# Altium PCB EVB-ANNA-B5x5_Certifi.PcbDoc (part 3 of 6)
Units mm, origin at the board's own origin, x right, y up, seen from the top; angles counter-clockwise.
Board outline 100 x 70 mm, 6 copper layers (L1, L2, L3, L4, L5, L6), stack 1.547 mm thick; 489 components, 297 nets, 1418 pads, 1472 vias.
Unrouted connection lines stored in the file: 3.
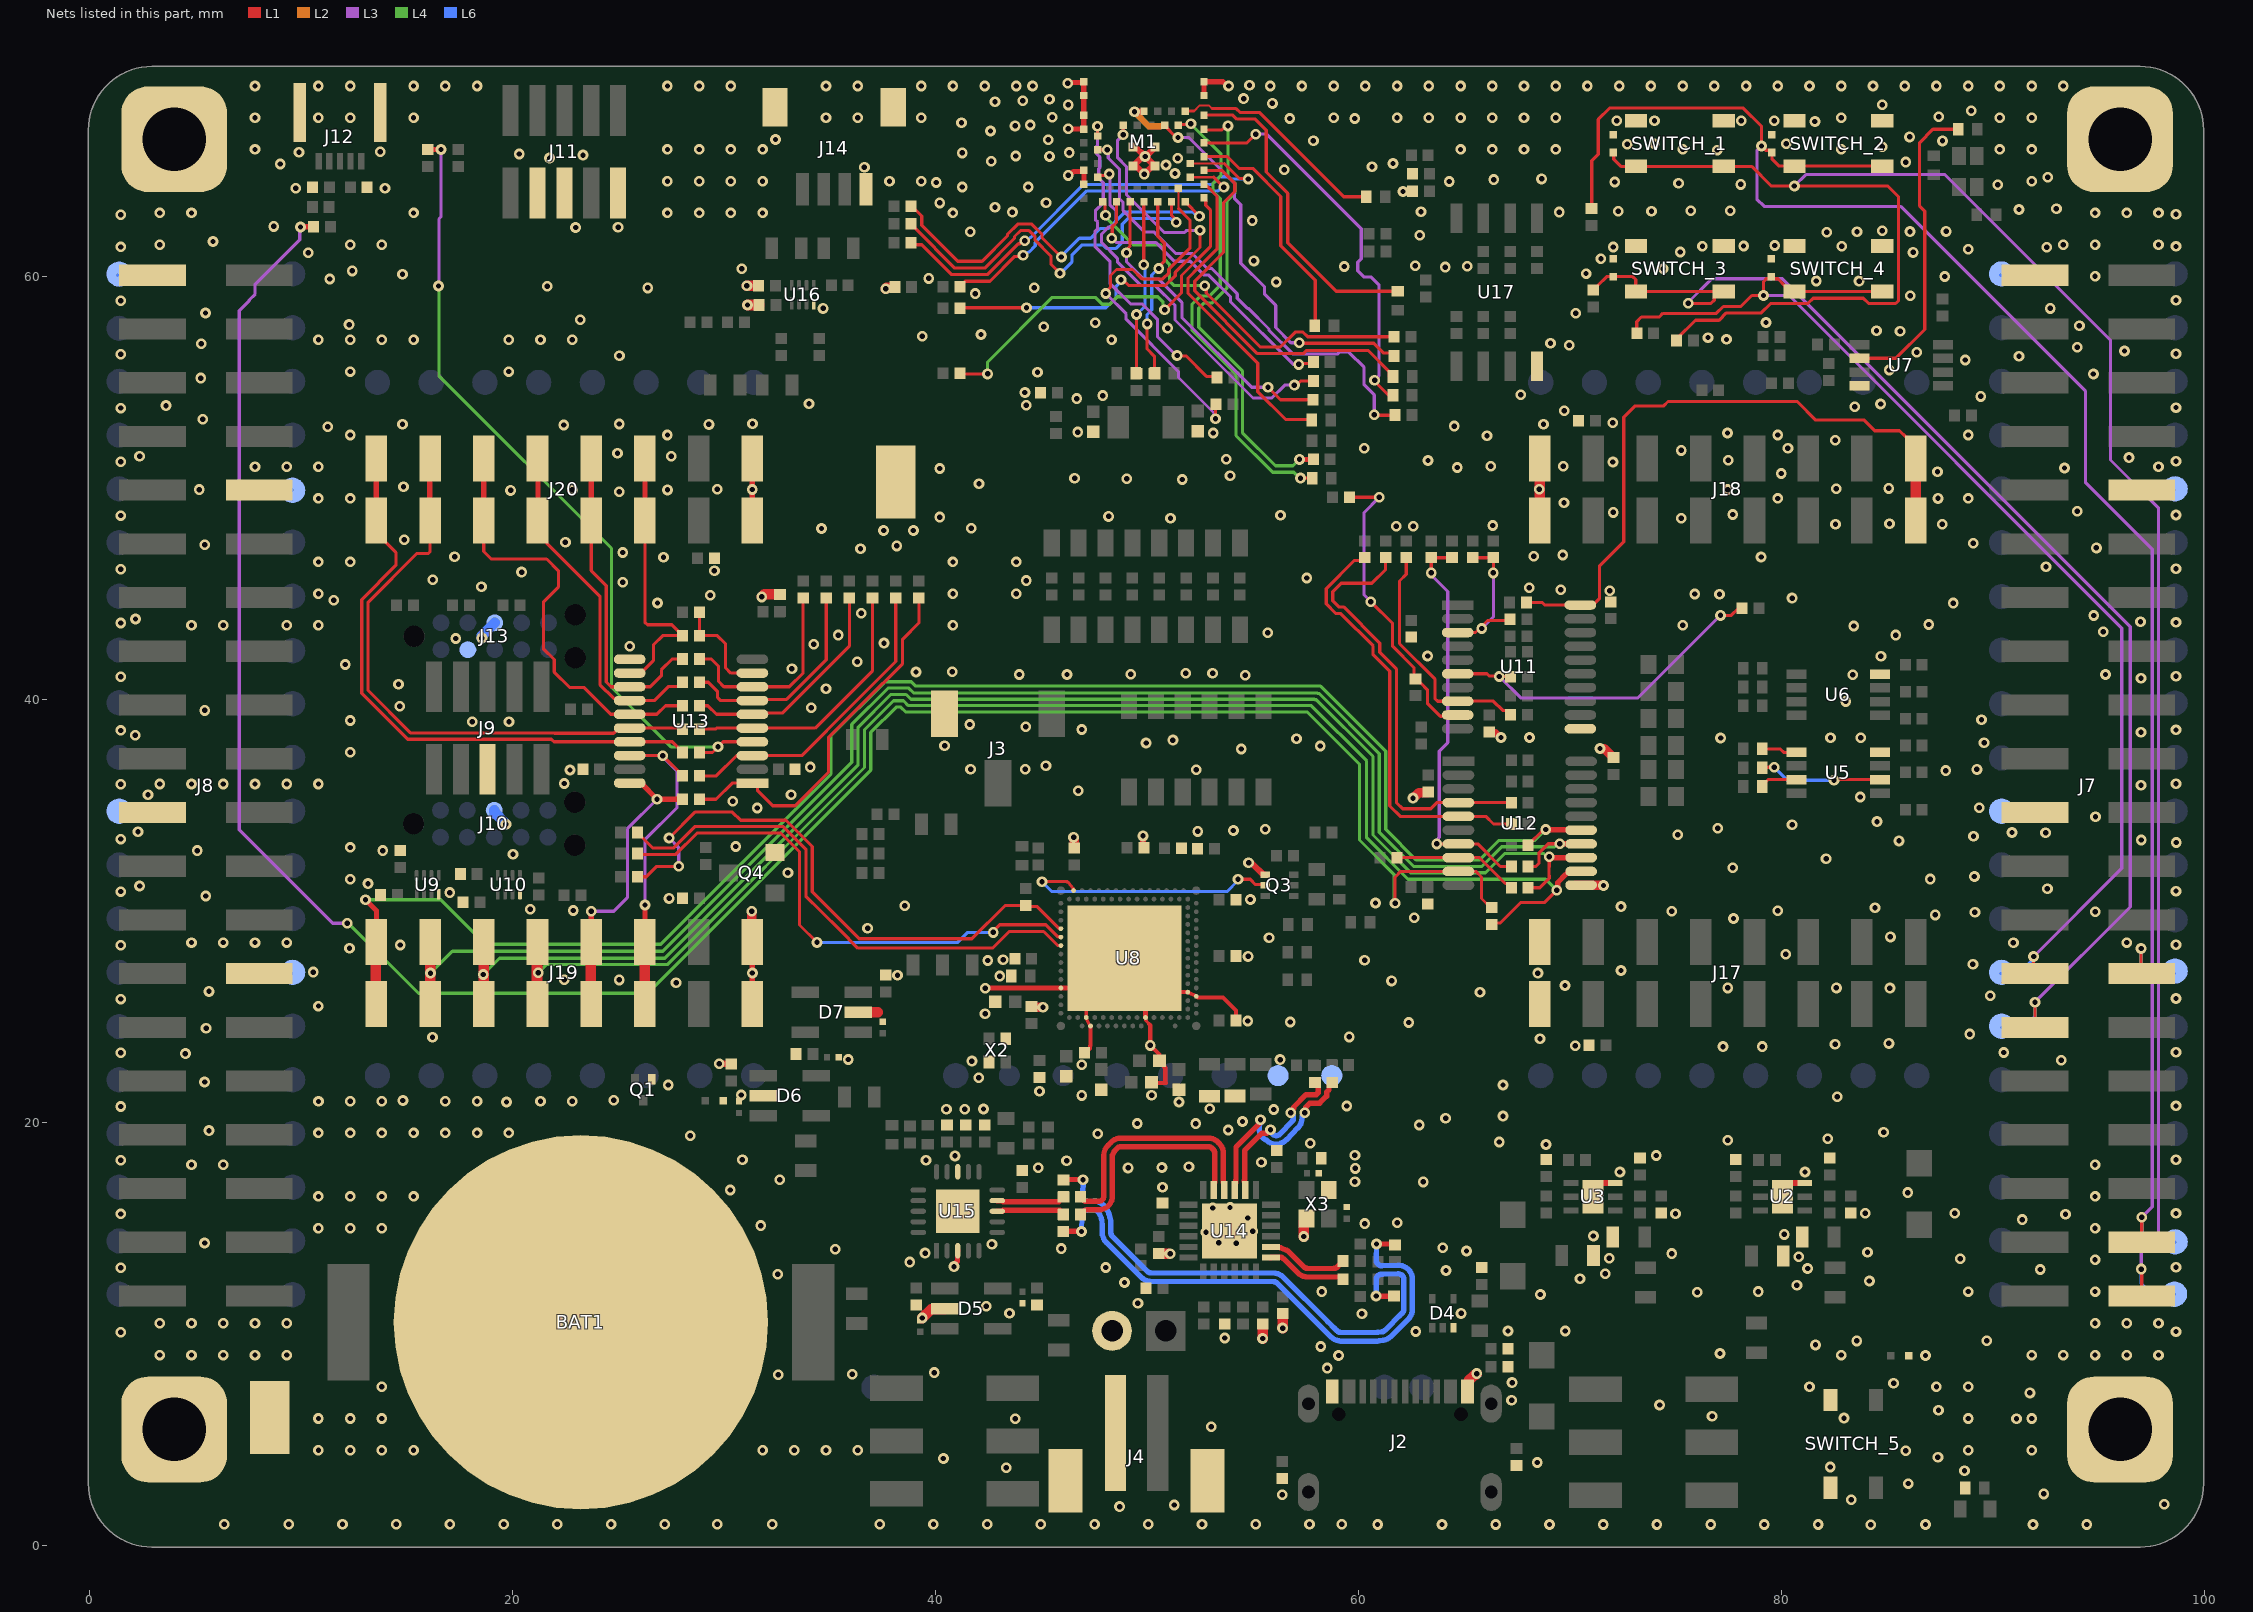
[diagram p7: the nets of this part, all layers, seen from the top]

## Via types
v1: diameter 0.508, hole 0.254, L1 to L6, 1119 vias
v2: diameter 0.5, hole 0.25, L1 to L6, 348 vias
v3: diameter 0.3, hole 0.1, L1 to L6, tented top, 5 vias

## Nets (pads, with @x,y where several pads share a name; then routed paths per layer and width w, separated by ;. In a path a pad name is that pad's centre, name@x,y a point inside that pad or via, vN(x,y) a via of type N, cw(c..) or ccw(c..) an arc to the next point about the centre after c; other vN are vias at no path point) (continued)
Button1: D18.1 J7.40 R173.1 SWITCH_1.1 SWITCH_1.2 TP84.1 | length 98.1
  L1 w0.15: D18.1@72.034,65.874 72.059,65.849 72.059,65.557 72.397,65.219 SWITCH_1.2@73.109,65.219 SWITCH_1.1@77.259,65.219 78.581,65.219 79.512,64.288 v1(80.602,64.288) 85.012,64.288 85.53,63.77 85.53,58.876 85.39,58.736 84.113,58.736 83.863,58.986 81.488,58.986 81.238,58.736 79.483,58.736 79.036,58.289 77.389,58.289 77.045,57.945 75.924,57.945 R173.1@75.04,57.061 ; J7.40@97.025,11.81 v1@97.025,12.968
  L3 w0.15: v1(80.602,64.288) 81.144,64.83 87.723,64.83 95.549,57.004 95.549,51.334 97.82,49.062 97.82,14.68 97,13.86 v1(97,13.081)
  L6 w0.15: v1(97,13.081) 97,12.395 97.5,11.895 TP84.1@98.575,11.895
Button2: D17.1 J7.38 R167.1 SWITCH_2.1 SWITCH_2.2 TP82.1 | length 86.1
  L1 w0.15: R167.1@71.008,63.226 71.022,63.24 71.022,65.482 71.33,65.79 71.33,67.44 71.86,67.97 78.19,67.97 79.044,67.116 v1(79.044,66.182) 79.247,65.979 79.427,65.979 79.514,65.892 79.514,65.887 79.54,65.861 79.54,65.569 79.877,65.232 SWITCH_2.1@84.939,65.232 ; J7.38@97.025,14.35 v1@97.025,15.508
  L3 w0.15: v1@79.05,66.177 78.831,65.958 78.831,63.666 79.17,63.327 85.624,63.327 94.373,54.578 94.373,50.26 97.52,47.113 97.52,16.031 v1(97.025,15.536)
  L6 w0.15: v1(97.025,15.536) 97.025,14.85 97.525,14.35 TP82.1@98.599,14.35
Button3: D20.1 J7.29 R171.1 SWITCH_3.1 SWITCH_3.2 TP72.1 | length 61.1
  L1 w0.15: R171.1@71.095,59.379 71.11,59.379 71.295,59.564 71.295,59.579 71.722,60.006 D20.1@72.034,60.007 ; D20.1@72.034,60.007 72.963,60.007 73.101,59.869 73.101,59.309 SWITCH_3.2@73.109,59.301 SWITCH_3.1@77.059,59.301 ; v1(75.581,58.744) 75.584,58.741 76.658,58.741 76.809,58.892 76.809,59.051 SWITCH_3.1@77.059,59.301 ; J7.29@91.55,24.085 J7.29@91.975,24.51 ; J7.29@91.975,24.538 v1(91.975,25.696) ; SWITCH_3.1@77.059,59.301 SWITCH_3.1@77.259,59.301 SWITCH_3.1@77.059,59.301
  L3 w0.15: v1(75.581,58.744) 75.57,58.755 75.57,58.78 76.691,59.901 80.032,59.901 96.48,43.453 96.48,30.201 v1(91.975,25.696)
  L6 w0.15: TP72.1@90.401,24.51 91.475,24.51 91.975,25.01 v1(91.975,25.696)
Button4: D21.1 J7.27 R172.1 SWITCH_4.1 SWITCH_4.2 TP71.1 | length 59
  L1 w0.15: R172.1@73.15,57.331 73.15,57.878 73.37,58.098 74.218,58.098 74.384,58.264 76.914,58.264 77.244,58.594 78.075,58.594 78.595,59.114 v1(79.139,59.114) 79.139,59.77 79.271,59.902 79.4,59.902 79.5,60.002 D21.1@79.5,60.007 ; D21.1@79.566,60.032 79.566,59.936 79.6,59.902 79.827,59.902 80.152,59.577 80.152,59.55 80.402,59.3 SWITCH_4.1@84.752,59.3 ; J7.27@90.475,26.625 90.9,27.05 J7.27@91.975,27.05 ; J7.27@91.911,27.089 v1(91.911,27.86)
  L3 w0.15: v1(79.139,59.114) 80.351,59.114 96.08,43.385 96.08,32.029 v1(91.911,27.86)
  L6 w0.15: TP71.1@90.347,27.051 91.421,27.051 91.679,27.309 91.679,27.531 91.911,27.763 v1(91.911,27.86)
CTS: R64.1 U5.5 | length 1.7
  L1 w0.15: R64.1@79.081,37.678 79.091,37.668 79.946,37.668 80.115,37.499 80.675,37.499 U5.5@80.701,37.524
DBGR_LED: Q3.2 U8.AL29 | length 12.9
  L1 w0.15: v1(45.031,31.4) 45.898,31.4 ccw(c45.897,31.55) 45.903,31.401 cw(c45.923,30.976) 45.944,31.4 ccw(c45.949,31.55) 45.947,31.4 46.178,31.4 cw(c46.178,31.25) 46.298,31.34 ccw(c52.078,35.639) 46.49,31.093 cw(c46.373,30.999) 46.523,30.999 U8.AL29@46.523,30.976 ; v1(54.296,31.512) 54.873,31.512 55.125,31.26 55.537,31.26 Q3.2@55.575,31.222
  L6 w0.15: v1(45.031,31.4) 45.502,30.93 53.774,30.93 54.296,31.452 v1(54.296,31.512)
DBGR_RESETn: R86.1 R89.1 U8.AC31 | length 27.6
  L1 w0.15: R89.1@25.9,31.632 26.327,31.632 26.817,32.123 v1(27.851,32.123) ; v1(27.397,33.465) 28.619,34.687 30.393,34.687 30.781,34.299 32.928,34.299 34.165,33.062 34.165,30.915 36.384,28.696 41.707,28.696 43.278,30.267 R86.1@44.262,30.267 44.298,30.231 44.78,30.231 45.821,29.19 45.909,29.19 U8.AC31@45.923,29.176
  L3 w0.15: v1(27.397,33.465) 27.851,33.011 v1(27.851,32.123)
DBGR_SWDCLK: R91.2 U8.W31 | length 25
  L1 w0.15: R91.2@25.9,33.725 26.639,32.986 27.596,32.986 28.609,33.999 32.803,33.999 33.865,32.937 33.865,30.713 34.591,29.987 34.597,29.987 35.46,29.124 35.46,29.119 36.323,28.256 42.688,28.256 43.473,29.041 44.335,29.041 44.341,29.047 44.738,29.047 44.744,29.041 45.099,29.041 45.102,29.037 45.105,29.041 45.759,28.387 45.912,28.387 U8.W31@45.923,28.376
DBGR_SWDIO: R90.2 U8.AA31 | length 25.2
  L1 w0.15: R90.2@25.9,32.686 27.72,32.686 28.733,33.699 32.679,33.699 33.565,32.813 33.565,29.351 v1(34.389,28.527) ; v1(42.723,28.999) 42.723,29.053 43.034,29.364 45.208,29.364 45.782,28.79 45.909,28.79 U8.AA31@45.923,28.776
  L6 w0.15: v1(34.389,28.527) 41.047,28.527 41.519,28.999 v1(42.723,28.999)
DSR: R59.1 U5.7 | length 1.8
  L1 w0.15: R59.1@79.081,35.9 79.081,35.95 79.355,36.224 U5.7@80.701,36.224
DTR: R61.1 U5.2 | length 5.9
  L1 w0.15: R61.1@79.111,36.819 79.125,36.805 v1(79.654,36.805) ; v1(82.474,36.195) 82.503,36.224 U5.2@84.651,36.224
  L1 w0.25: R61.1@79.081,36.789 79.111,36.819 R61.1@79.124,36.831
  L6 w0.15: v1(79.654,36.805) 80.264,36.195 v1(82.474,36.195)
F1_USB_N: R163.2 U14.2 | length 7.7
  L1 w0.255: U14.2@54.598,17.234 ccw(c54.853,17.234) 54.623,17.124 U14.2@54.646,16.826 ; U14.2@54.598,17.235 cw(c54.853,17.234) 54.601,17.271 54.602,17.277 ccw(c53.949,17.373) 54.609,17.373 54.609,18.686 55.432,19.509 55.664,19.509 v1(55.83,19.675) ; v1(56.788,20.474) 56.788,20.542 56.922,20.677 56.922,20.733 57.522,21.332 57.991,21.332 58.081,21.423 58.081,21.75 R163.2@57.934,21.898
  L6 w0.255: v1(55.83,19.675) 55.831,19.661 ccw(c56.085,19.676) v1@55.876,19.53 ; v1@55.876,19.53 55.896,19.501 ccw(c56.105,19.648) 56.289,19.471 56.847,20.05 ccw(c56.663,20.227) 56.918,20.227 ccw(c56.663,20.227) 56.857,20.393 v1(56.788,20.474)
F1_USB_P: R162.2 U14.3 | length 9.9
  L1 w0.255: U14.3@54.146,16.826 54.168,17.124 ccw(c53.938,17.234) 54.193,17.234 cw(c54.598,17.234) 54.193,17.236 cw(c54.853,17.234) 54.2,17.33 54.201,17.336 ccw(c53.949,17.373) 54.204,17.373 54.204,18.854 55.359,20.009 v1(55.359,20.146) ; v1@57.406,20.522 v1(57.454,20.474) 57.502,20.522 57.502,20.741 57.689,20.927 58.159,20.927 58.486,21.255 58.486,21.445 58.599,21.558 58.599,21.765 58.732,21.898 R162.2@58.747,21.898
  L6 w0.255: v1(55.359,20.146) 55.337,20.037 ccw(c55.587,19.986) 55.333,20.015 55.302,19.735 ccw(c55.83,19.675) 55.641,19.178 ccw(c56.105,19.648) 56.58,19.19 57.139,19.769 ccw(c56.663,20.227) 57.323,20.225 ccw(c56.918,20.227) 57.324,20.227 cw(c57.578,20.227) 57.385,20.393 v1(57.454,20.474)
F2_USB_N: R161.2 U14.4 | length 11.5
  L1 w0.255: R161.2@46.844,16.496 46.976,16.349 46.997,16.334 ccw(c47.149,16.538) 47.149,16.283 cw(c47.149,15.878) 47.151,16.283 47.697,16.283 ; 47.698,16.283 cw(c47.701,16.081) 47.699,16.283 ccw(c47.697,16.538) 47.952,16.538 47.952,18.459 cw(c48.612,18.459) 48.145,18.926 48.151,18.93 ccw(c47.999,19.135) 48.184,18.959 48.285,19.065 cw(c48.763,18.61) 48.76,19.27 52.89,19.27 cw(c52.89,18.61) 53.357,19.077 53.405,19.029 cw(c52.938,18.562) 53.598,18.562 53.598,17.235 cw(c53.193,17.234) 53.598,17.234 ccw(c53.853,17.234) 53.623,17.124 U14.4@53.646,16.826
F2_USB_P: R160.2 U14.5 | length 10.8
  L1 w0.255: R160.2@46.844,15.665 46.976,15.812 46.997,15.827 cw(c47.149,15.623) 47.149,15.878 47.697,15.878 ccw(c47.697,16.283) 47.701,15.878 ccw(c47.695,16.538) 47.704,15.878 ccw(c47.697,16.538) 48.357,16.538 48.357,18.459 48.433,18.616 cw(c48.662,18.504) 48.477,18.68 48.578,18.786 cw(c48.763,18.61) 48.761,18.865 52.89,18.865 cw(c52.89,18.61) 53.071,18.79 53.118,18.743 cw(c52.938,18.562) 53.193,18.562 53.193,17.234 cw(c52.938,17.234) 53.168,17.124 U14.5@53.146,16.826
FTDI_n: R161.1 R221.1 U15.9 | length 3
  L1 w0.255: U15.9@42.911,16.316 43.148,16.316 43.195,16.268 R161.1@45.822,16.268 ; R161.1@46.035,16.501 46.03,16.496 R161.1@46.044,16.496
FTDI_p: R160.1 R218.2 U15.8 | length 3.5
  L1 w0.255: R218.2@46.03,15.67 46.044,15.67 46.044,15.68 45.88,15.843 45.88,15.863 43.195,15.863 U15.8@43.148,15.816 ; U15.8@43.148,15.816 U15.8@42.911,15.816 U15.8@43.148,15.816
FTDI_USB_n: R213.1 R221.2 | length 25.2
  L1 w0.255: R221.2@46.085,17.317 v1@46.961,17.317 ; v1@60.833,11.801 R213.1@61.71,11.801
  L6 w0.255: v1(46.97,17.308) 46.947,16.54 ccw(c47.202,16.533) 47.195,16.278 ccw(c47.202,16.533) 47.209,16.278 47.466,16.285 cw(c47.485,15.626) 48.024,16.008 cw(c46.869,15.191) 48.283,15.189 48.283,14.808 ccw(c48.538,14.808) 48.358,14.627 48.476,14.509 50.014,12.971 ccw(c50.194,13.152) 50.194,12.897 50.362,12.897 55.799,12.897 55.967,12.897 cw(c55.967,12.237) 56.434,12.704 58.546,10.591 58.861,10.277 cw(c58.575,9.99) 58.862,10.276 58.98,10.158 ccw(c59.16,10.338) 59.16,10.083 60.87,10.083 ccw(c60.871,10.338) 60.909,10.086 61.106,10.116 ccw(c61.068,10.368) 61.248,10.187 61.343,10.282 61.942,10.881 62.06,11 ccw(c61.88,11.18) 62.135,11.179 62.135,12.6 ccw(c61.88,12.598) 61.874,12.853 61.108,12.834 cw(c61.092,13.494) 61.09,12.834 ; v1(60.824,11.81) 60.83,12.58 cw(c61.085,12.579) 61.087,12.834 ccw(c61.092,13.494) 61.089,12.834
FTDI_USB_p: R216.1 R218.1 | length 26.5
  L1 w0.255: R218.1@46.011,14.867 v1@46.888,14.867 ; v1@60.836,14.266 v1(60.843,14.266) R216.1@61.713,14.266
  L6 w0.255: v1(46.897,14.858) 46.92,15.626 cw(c47.175,15.618) 47.182,15.873 ; 47.183,15.873 ccw(c47.202,16.533) 47.184,15.873 ; 47.185,15.873 ccw(c47.202,16.533) 47.221,15.873 47.478,15.881 cw(c47.485,15.626) 47.693,15.773 cw(c46.869,15.191) 47.878,15.189 47.878,14.808 ccw(c48.538,14.808) 48.072,14.341 48.19,14.223 ; 48.19,14.222 49.728,12.684 ccw(c50.194,13.152) 50.194,12.492 50.36,12.492 ccw(c50.362,12.897) 50.362,12.492 55.799,12.492 ccw(c55.799,12.897) 55.801,12.492 55.967,12.492 cw(c55.967,12.237) 56.147,12.417 58.575,9.99 ccw(c58.861,10.277) 58.576,9.989 58.693,9.872 ccw(c59.16,10.338) 59.16,9.678 60.871,9.678 ; v1(60.843,14.266) 60.837,13.495 ccw(c61.092,13.494) 61.09,13.239 ccw(c61.092,13.494) 61.098,13.239 61.864,13.258 cw(c61.88,12.598) 62.54,12.606 cw(c62.135,12.6) 62.54,12.6 62.54,11.178 cw(c61.88,11.18) 62.347,10.713 62.228,10.595 61.534,9.9 cw(c61.068,10.368) 61.168,9.716 60.97,9.686 cw(c60.871,10.338) 60.873,9.678
GND: BAT1.2 C1.2 C3.1 C4.2 C5.2 C6.2 C7.2 C8.1 C9.2 C10.2 C11.2 C12.1 C13.2 C14.2 C15.1 C17.2 C18.2 C19.2 C20.2 C21.2 C22.2 C23.2 C24.2 C25.2 C26.2 C27.2 C28.2 C29.2 C30.2 C31.2 C32.2 C33.2 C34.2 C35.2 C36.2 C37.2 C38.1 C39.2 C40.1 C41.2 C42.2 C43.2 C44.2 C45.2 C46.2 C47.2 C48.2 C49.1 C50.2 C51.2 C52.2 C53.2 C54.2 C55.2 C56.2 C57.2 C58.2 C59.2 C60.2 C61.2 C62.1 C63.2 C64.2 C65.2 C66.1 C67.1 C68.2 C69.2 C70.2 C71.2 D4.3 D5.2 D6.2 D7.2 D8.2 D15.2 D17.2 D18.2 D20.2 D21.2 J2.A1B12 J2.B1A12 J3.1 J4.1 J4.MH1 J5.2 J7.1 J7.10 J7.21 J7.28 J8.1 J8.10 J8.21 J8.28 J9.5 J10.3 J11.3 J11.5 J11.9 J12.MP J13.3 J13.9 J14.1 J14.M1 J14.M2 J15.1 J16.1 J17.8 J18.8 J19.8 J20.8 M1.1 M1.2 M1.3 M1.4 M1.7 M1.8 M1.34 M1.35 M1.43 M1.53 M1.54 M1.55 M1.56 pad.5 Q1.1 Q3.1 Q4.2 R33.1 R34.1 R39.1 R40.1 R42.2 R45.1 R53.1 R54.1 R77.1 R80.1 R150.1 R151.2 R152.1 R157.1 R201.1 R202.2 R203.2 R204.2 SWITCH_1.3 SWITCH_1.4 SWITCH_2.3 SWITCH_2.4 SWITCH_3.3 SWITCH_3.4 SWITCH_4.3 SWITCH_4.4 SWITCH_5.3 SWITCH_5.4 TP38.1 TP44.1 TP48.1 TP56.1 TP68.1 TP74.1 TP88.1 TP96.1 TP108.1 TP114.1 U2.3 U2.7 U3.3 U3.7 U5.4 U6.4 U7.4 U8.104 U8.A25 U8.B12 U8.B26 U8.G1 U8.H2 U8.J31 U9.4 U10.4 U11.11 U12.11 U13.11 U14.25 U15.3 U15.13 U15.21 U16.4 U17.4 X2.2 X2.4 X3.2 X3.4 | length 67.3
  L1 w0.15: J9.5@18.821,36.709 J9.5@18.821,36.977 ; C68.2@30.7,21.011 30.755,21.066 30.755,21.259 v1(30.81,21.314) ; U8.B26@47.123,24.976 U8.104@47.123,26.376 ; U8.B12@49.923,24.976 U8.B12@49.93,24.969 ; U8.B12@49.93,24.889 U8.B12@49.93,24.969 ; 50.085,24.67 50.06,24.695 50.06,24.716 49.937,24.839 49.937,24.962 U8.B12@49.93,24.969 ; J7.28@96.994,27.081 v1(96.994,28.239)
  L1 w0.165: U8.B26@47.123,24.976 47.116,24.954 47.301,24.583 U8.A25@47.323,24.576
  L1 w0.187: U8.B12@49.923,24.976 U8.B12@49.93,24.969 ; U8.104@51.223,26.176 U8.H2@51.923,26.176 U8.G1@52.323,25.976 ; 53.588,25.918 54.194,25.312 C22.2@54.194,24.833
  L1 w0.188: U8.G1@52.323,25.976 52.326,25.973 52.327,25.972 ccw(c52.458,26.106) 52.445,25.919 cw(c52.422,25.576) 52.451,25.919 ccw(c52.465,26.105) 52.464,25.918 52.8,25.918 cw(c52.799,25.73) 52.807,25.918 ccw(c52.831,26.415) 52.855,25.918 cw(c52.863,25.73) 52.862,25.918 53.588,25.918
  L1 w0.2: C36.2@47.098,23.307 47.298,23.506 47.298,23.628 47.323,23.654 U8.A25@47.323,24.576 ; 50.085,24.67 50.15,24.605 v1(50.15,23.658) 50.586,23.222 C37.2@50.586,22.928 ; C33.2@50.121,21.884 50.875,21.884 ; C37.2@50.524,22.866 C37.2@50.664,22.725 ; C37.2@50.689,22.75 50.704,22.75 50.854,22.6 50.854,21.905 50.875,21.884 ; 50.895,21.884 50.875,21.884
  L1 w0.225: v1(42.343,26.362) 42.357,26.376 47.123,26.376 U8.104@47.523,26.376 ; U8.B12@49.923,24.976 U8.104@49.923,26.376
  L1 w0.25: J19.8@31.336,25.616 v1(31.336,27.081) J19.8@31.336,28.546 ; J20.8@31.336,48.476 J20.8@31.336,51.406 ; v1(40.865,13.2) 40.865,13.283 41.038,13.456 41.038,13.942 U15.3@41.046,13.951 ; v1(46.252,69.149) 46.287,69.184 46.974,69.184 M1.1@47.01,69.22 ; v1(46.268,64.79) 46.338,64.79 46.525,64.978 46.96,64.978 M1.7@47.01,65.028 M1.8@47.01,64.399 ; v1(46.268,66.991) 46.274,66.985 47.003,66.985 M1.4@47.008,66.98 ; M1.4@47.01,66.978 M1.4@47.008,66.98 ; M1.1@47.008,69.218 M1.4@47.008,66.98 ; M1.4@47.01,66.978 M1.4@47.008,66.98 ; M1.34@52.69,68.57 M1.35@52.69,69.22 53.581,69.22 53.782,69.02 v1(53.851,69.02)
  L1 w0.3: v1(29.774,22.789) 29.781,22.782 30.324,22.782 C18.2@30.332,22.774 ; M1.53@49.33,66.128 49.459,66.128 v1(49.902,65.685) ; v1@49.411,67.808 M1.43@49.843,67.808 ; v1(49.803,33.562) 49.803,33.045 R54.1@49.843,33.005 ; M1.56@50.37,66.128 49.927,65.685 v1@49.913,65.685 ; v1(54.796,32.288) 54.835,32.248 54.974,32.248 55.5,31.722 Q3.1@55.575,31.722 ; R202.2@66.171,38.469 66.474,38.469 v1(66.73,38.212) ; U3.7@71.001,17.151 U3.3@72.136,17.151 ; U2.7@79.961,17.151 U2.3@81.096,17.151 ; v1(49.902,65.685) v1@49.913,65.685 ; v1(49.902,65.685) 49.787,65.685 M1.54@49.33,65.228 49.484,65.228 v1(49.86,64.852) 50.236,65.228 M1.55@50.37,65.228 v1@49.913,65.685
  L1 w0.45: v1(31.309,30.002) 31.315,29.996 J19.8@31.315,28.466 ; C30.2@44.534,25.491 44.554,25.471 45.065,25.471 v1(45.076,25.46) ; v1(46.522,33.498) 46.555,33.465 C28.2@46.555,32.98 ; v1(49.4,67.797) v1@49.411,67.808 ; C47.2@62.481,42.966 C47.2@62.488,42.958 ; v1@62.573,35.365 v1(62.573,35.349) 62.588,35.349 62.849,35.61 63.251,35.61 C46.2@63.286,35.645 ; U12.11@70.249,31.221 71.573,31.221 v1(71.576,31.218) ; v1(71.413,37.694) 71.424,37.683 71.616,37.683 72.036,37.263 C43.2@72.051,37.263
  L1 w0.5: v1(31.078,59.572) C64.2@31.629,59.572 ; v1(31.104,58.663) C65.2@31.655,58.663 ; v1@31.781,44.861 31.91,44.99 R204.2@32.626,44.99 ; D7.2@36.34,25.221 36.365,25.196 36.401,25.231 37.259,25.231 37.261,25.233 ; v1(37.638,59.434) v1(37.638,59.434) 37.695,59.489 38.059,59.489 38.069,59.499 C3.1@38.069,59.514 ; v1(39.37,10.77) 39.372,10.77 39.79,11.187 40.411,11.187 D5.2@40.436,11.212 ; C57.2@50.551,13.816 v1@50.992,13.816 ; v1(55.458,9.797) R152.1@55.458,10.463 ; v1(56.403,10.29) C52.2@56.403,10.956 ; v1(57.41,14.62) 57.411,15.296 X3.4@57.536,15.471 ; J2.B1A12@65.146,7.296 65.196,7.346 65.196,7.802 65.489,8.094 65.532,8.094 65.578,8.14 v1(65.58,8.14) ; J18.8@68.565,48.429 J18.8@68.565,51.18
  L4 w0.3: v1(49.4,67.797) 50.077,67.12 50.62,67.12
  L2 w0.3: v1(49.4,67.797) 50.077,67.12 50.62,67.12
  L6 w0.15: TP108.1@1.321,60.071 TP108.1@1.325,60.067 ; TP114.1@9.546,27.051 TP114.1@9.55,27.047 ; TP96.1@9.571,49.911 TP96.1@9.575,49.907 ; TP48.1@90.339,60.064 TP48.1@90.346,60.071 ; v1(96.994,28.239) 96.994,27.553 97.494,27.053 TP74.1@98.568,27.053 ; TP56.1@98.545,49.91 TP56.1@98.546,49.911 ; TP74.1@98.567,27.055 TP74.1@98.571,27.051
  L6 w0.5: v1(18.548,42.916) 18.549,42.918 18.549,43.032 J13.3@19.154,43.637 ; J10.3@19.129,34.773 19.129,34.692 19.68,34.141 19.68,34.114 v1(19.681,34.112)
  other v1: 48.697,1.853 51.282,1.927 98.087,1.959 92.393,2.453 88.643,3.548 43.335,3.693 82.293,3.726 40.368,4.123 87.388,4.186 85.864,4.496 53.036,5.625 43.767,6.009 91.102,6.007 82.946,6.037 76.711,6.124 87.413,6.403 74.229,6.653 67.231,6.875 91.736,7.228 85.291,7.689 67.256,7.713 32.562,8.082 36.058,8.113 39.93,8.186 58.518,8.399 59.052,8.993 86.802,8.994 77.085,9.092 58.205,9.418 81.601,9.496 83.546,9.685 89.701,9.697 53.667,9.822 62.696,10.129 67.062,10.152 69.771,10.152 60.155,10.971 43.49,10.99 64.843,10.987 42.388,11.328 49.563,11.46 68.593,11.883 76.013,11.981 58.258,12.018 78.893,12.017 80.72,12.323 48.928,12.446 84.149,12.515 70.463,12.624 32.534,12.84 71.66,12.857 64.13,13.015 92.226,13.065 81.226,13.111 48.045,13.158 38.771,13.412 88.44,13.566 71.849,13.594 80.812,13.66 51.085,13.801 74.804,13.813 39.501,13.837 84.061,13.878 65.097,13.934 35.254,14.016 45.94,14.05 63.976,14.094 42.661,14.252 5.437,14.317 71.1,14.646 80.123,14.722 31.73,15.138 60.286,15.232 61.83,15.277 91.381,15.422 93.418,15.679 74.979,15.702 83.947,15.723 88.185,15.721 85.959,16.698 30.287,16.823 50.724,16.949 59.823,17.209 63.056,17.202 32.635,17.303 72.351,17.669 81.105,17.669 59.844,17.842 44.853,17.873 49.098,17.864 50.698,17.882 51.975,17.919 55.403,18.133 46.191,18.209 39.545,18.229 30.863,18.247 40.916,18.432 59.823,18.463 74.075,18.451 68.859,18.974 57.708,19.027 66.646,19.093 77.454,19.173 82.18,19.24 28.403,19.385 47.67,19.484 84.819,19.552 5.642,19.63 53.833,19.656 62.87,19.894 49.53,19.964 52.292,19.961 54.508,20.061 64.111,20.21 66.827,20.314 55.982,20.625 40.51,20.644 41.373,20.644 42.266,20.65 52.957,20.662 59.435,20.792 19.708,20.983 51.507,20.983 14.813,21.054 24.787,21.067 82.623,21.226 46.907,21.294 50.211,21.304 44.909,21.492 27.357,21.785 66.827,21.787 5.437,21.927 42.034,22.124 46.911,22.741 41.714,22.914 93.216,22.952 56.286,22.987 35.874,22.991 4.53,23.27 90.499,23.323 77.225,23.601 79.081,23.601 70.246,23.643 82.527,23.715 85.07,23.752 68.577,23.969 16.213,24.042 59.553,24.058 88.889,24.191 5.507,24.469 62.371,24.738 56.762,24.766 54.759,24.813 42.338,25.152 89.865,26.002 65.735,26.17 5.642,26.21 85.118,26.367 77.446,26.376 82.588,26.376 69.753,26.489 27.729,26.62 61.559,26.707 22.446,26.766 25.042,26.754 43.037,26.934 38.199,26.979 68.474,27.076 10.577,27.123 72.405,27.199 89.041,27.499 42.465,27.674 60.281,27.687 43.19,27.704 54.772,27.866 80.188,27.965 12.286,28.254 14.685,28.404 90.958,28.514 55.767,28.745 85.142,28.787 36.783,29.202 77.721,29.656 62.629,29.69 87.266,29.828 89.136,29.952 74.804,30.005 22.872,30.033 20.828,30.099 84.415,30.168 72.405,30.22 38.534,30.258 60.794,30.389 54.881,30.556 27.397,30.607 5.497,30.72 17.03,30.882 92.564,31.069 2.362,31.191 13.165,31.307 87.024,31.522 89.113,31.643 33.015,31.818 77.69,32.059 82.1,32.482 20.015,32.69 5.092,32.866 13.864,32.868 30.548,33.059 85.546,33.325 96.996,33.369 89.071,33.54 75.085,33.619 92.48,33.706 90.892,33.723 2.286,33.757 52.397,33.776 54.08,33.817 55.582,33.881 76.98,33.92 80.493,34.093 84.507,34.238 31.566,34.884 89.343,34.896 30.404,35.205 83.714,35.4 2.761,35.509 33.165,35.511 46.739,35.692 96.99,35.953 22.439,36.042 87.761,36.649 22.71,36.676 52.32,36.69 41.652,36.715 44.239,36.711 89.233,36.706 34.068,36.815 45.214,36.882 54.454,37.674 58.184,37.812 40.425,37.83 49.951,37.956 89.57,37.964 51.219,38.092 57.061,38.157 77.112,38.188 68.076,38.215 82.306,38.209 83.736,38.209 2.156,38.316 96.99,38.468 46.913,38.591 44.262,38.725 41.612,38.83 18.089,38.963 19.826,38.963 89.448,39.051 5.447,39.495 34.119,39.624 14.667,39.69 83.034,39.914 14.607,40.734 96.99,41.014 54.643,41.16 43.959,41.193 46.209,41.193 83.356,41.183 95.31,41.195 49.228,41.206 51.826,41.251 53.096,41.251 39.069,41.313 40.788,41.327 33.205,41.471 12.089,41.666 36.288,41.794 84.693,42.06 63.259,42.07 25.536,42.532 34.242,42.62 37.558,42.678 17.312,42.896 35.401,43.058 85.393,43.057 55.703,43.165 95.205,43.214 83.414,43.485 86.957,43.555 96.968,43.683 2.171,43.819 94.752,43.984 36.484,44.095 26.849,44.575 88.111,44.569 11.542,44.709 80.493,44.806 31.779,44.861 29.338,44.944 75.888,45.002 77.059,44.989 71.877,45.153 69.553,45.199 68.069,45.3 18.524,45.34 25.204,45.549 44.279,45.634 16.225,45.679 57.551,45.758 20.425,46.034 29.54,46.101 92.499,46.282 27.132,46.734 17.256,46.757 79.028,46.75 68.278,46.786 69.645,46.842 25.204,46.961 36.449,47.141 94.88,47.18 38.16,47.274 5.447,47.327 89.06,47.4 22.496,47.446 14.87,47.559 37.539,48 38.949,48 34.601,48.098 41.689,48.107 61.774,48.197 62.583,48.209 66.345,48.239 82.546,48.292 87.587,48.295 85.098,48.315 51.104,48.582 75.247,48.58 40.199,48.634 48.176,48.668 56.303,48.718 77.686,48.761 72.032,48.858 93.97,48.915 69.709,49.311 87.392,49.519 25.047,49.834 19.904,49.898 5.187,49.935 22.826,49.92 27.323,49.92 77.443,49.936 29.669,49.948 31.332,49.94 68.536,49.95 82.577,49.971 85.061,49.991 14.841,50.071 42.048,50.214 51.655,50.415 46.57,50.471 49.041,50.45 53.923,50.586 79.981,50.699 87.371,50.785 40.197,50.932 93.37,50.959 64.664,50.982 66.243,51.039 69.67,51.039 72.021,51.24 63.28,51.308 77.47,51.324 53.737,51.364 96.42,51.447 2.362,51.511 27.495,51.509 24.959,51.658 75.247,51.788 60.264,51.892 80.295,51.89 82.532,52.27 66.069,52.485 53.126,52.609 77.436,52.609 46.721,52.653 11.263,52.908 64.522,52.937 22.414,52.988 14.793,53.025 25.047,53.035 29.281,53.018 68.742,53.027 31.34,53.052 72.015,53.094 5.347,53.264 69.715,53.66 83.456,53.85 3.609,53.907 44.285,53.929 34.015,54 84.677,53.983 46.668,54.238 89.41,54.341 47.905,54.381 67.662,54.422 44.221,54.528 5.257,55.207 94.74,55.399 44.817,55.487 85.09,55.588 88.683,56.062 91.224,56.239 25.05,56.265 86.39,56.427 96.21,56.49 93.97,56.67 69.951,56.757 5.284,56.833 39.369,57.188 42.145,57.268 85.601,57.42 84.482,57.447 50.967,57.573 45.112,57.635 94.078,57.685 12.269,57.736 47.551,57.825 79.259,57.839 23.197,57.97 5.479,58.288 34.68,58.502 92.702,58.503 86.082,59.104 41.878,59.203 26.384,59.471 44.664,59.479 21.642,59.546 56.109,59.753 83.661,59.793 81.637,59.799 11.35,59.89 39.672,59.92 87.709,60.013 14.793,60.111 12.421,60.274 30.836,60.376 64.09,60.454 59.314,60.481 65.141,60.494 62.676,60.518 55.049,60.747 10.34,61.13 86.213,61.151 75.207,61.17 88.822,61.294 92.537,61.395 82.836,61.436 79.67,61.479 5.836,61.663 62.883,61.966 82.13,62.101 41.633,62.126 83.564,62.126 86.07,62.133 87.774,62.143 84.752,62.176 22.976,62.325 24.986,62.341 8.703,62.378 54.969,62.654 43.63,63.055 69.481,63.056 62.951,63.072 77.565,63.115 91.224,63.177 92.991,63.22 42.806,63.287 40.199,63.49 45.223,63.496 62.1,64.03 9.75,64.178 13.967,64.178 41.259,64.24 44.377,64.24 78.07,64.366 90.215,64.349 75.128,64.415 40.027,64.457 72.105,64.477 64.289,64.503 66.383,64.593 68.65,64.625 92.582,64.705 51.317,64.878 56.48,65.057 36.633,65.176 60.629,65.198 50.889,65.281 9.016,65.329 61.623,65.353 85.866,65.42 42.628,65.463 21.741,65.611 51.443,65.607 43.789,65.706 45.384,65.689 23.325,65.752 20.309,65.801 41.259,65.853 9.903,65.879 46.316,65.87 13.738,65.905 84.755,66.146 80.221,66.289 87.605,66.421 57.861,66.434 45.322,66.472 32.429,66.49 86.05,66.61 42.595,66.888 43.755,67.131 44.477,67.176 41.226,67.278 81.571,67.34 72.203,67.369 79.655,67.369 56.74,67.48 59.814,67.48 45.515,67.54 87.421,67.56 88.966,67.846 46.268,68.125 84.752,68.132 55.922,68.195 42.806,68.276 44.117,68.318 45.382,68.396 54.561,68.424 44.583,69.02 54.841,69.048